# KiCad board SparkFun_RTK_Facet_mosaic_panelized.kicad_pcb (continued)
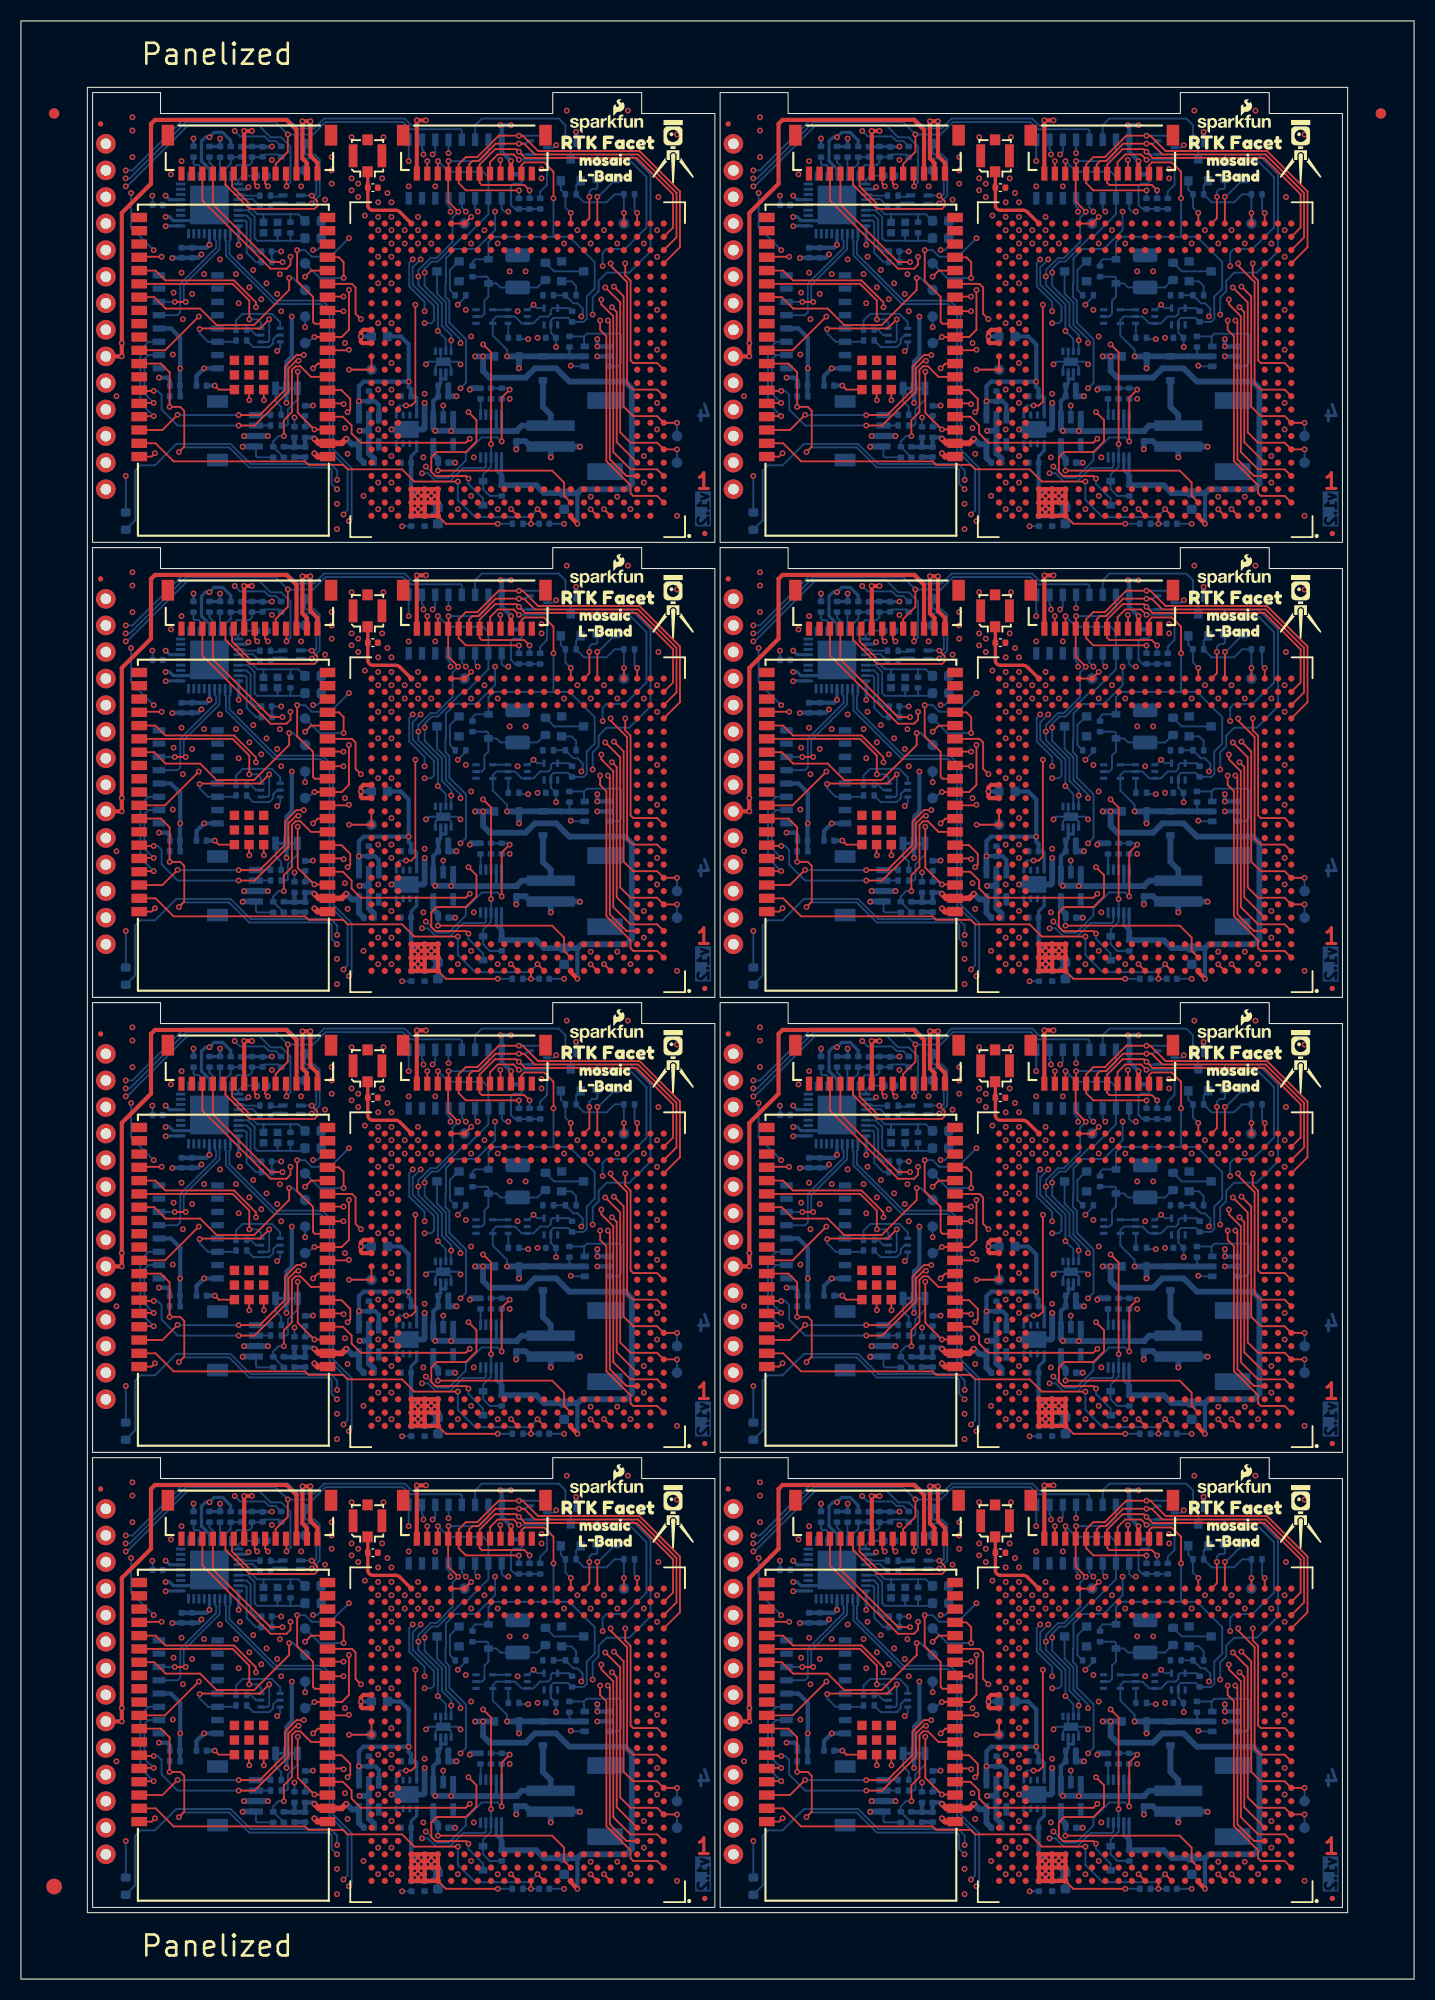
[diagram p0: board, top side]
## Routing (per net, layer and track width the routed paths; a pad name or vN(x,y) marks a point on that pad's centre or on a via; arc(x,y) is an arc through that point) (continued)
  Bottom w0.178: R19#8.1 84.36,45.22 83.73,45.22 83.28,45.66 80.96,45.66 v1(80.44,46.18) ; v1(20.44,46.18) 20.96,45.66 23.28,45.66 23.73,45.22 24.36,45.22 R19#3.1 ; R19#2.1 84.36,88.72 83.73,88.72 83.28,89.16 80.96,89.16 v1(80.44,89.68) ; R19#5.1 24.36,132.22 23.73,132.22 23.28,132.66 20.96,132.66 v1(20.44,133.18) ; R19#4.1 84.36,175.72 83.73,175.72 83.28,176.16 80.96,176.16 v1(80.44,176.68) ; v1(20.44,89.68) 20.96,89.16 23.28,89.16 23.73,88.72 24.36,88.72 R19#7.1 ; v1(20.44,176.68) 20.96,176.16 23.28,176.16 23.73,175.72 24.36,175.72 R19.1 ; v1(80.44,133.18) 80.96,132.66 83.28,132.66 83.73,132.22 84.36,132.22 R19#6.1
  Bottom w0.305: U10#5.1 105.95,13.23 105.97,13.21 105.45,13.73 U10#5.2 ; U10#4.2 45.45,100.73 45.97,100.21 45.95,100.23 U10#4.1 ; U10#6.1 105.95,56.73 105.97,56.71 105.45,57.23 U10#6.2 ; U10#7.2 45.45,144.23 45.97,143.71 45.95,143.73 U10#7.1 ; U10#3.2 45.45,13.73 45.97,13.21 45.95,13.23 U10#3.1 ; U10#8.1 105.95,100.23 105.97,100.21 105.45,100.73 U10#8.2 ; U10#2.1 105.95,143.73 105.97,143.71 105.45,144.23 U10#2.2 ; U10.1 45.95,56.73 45.97,56.71 45.45,57.23 U10.2
  Bottom w0.406: v1(113.21,52.13) 113.21,55.05 ; v1(53.21,139.13) 53.21,142.05 ; v1(53.21,95.63) 53.21,98.55 ; v1(113.21,95.63) 113.21,98.55 ; v1(113.21,139.13) 113.21,142.05 ; v1(113.21,8.63) 113.21,11.55 ; v1(53.21,8.63) 53.21,11.55 ; v1(53.21,52.13) 53.21,55.05
  Bottom w0.559: v1(104.19,155.13) 104.19,153.73 104.82,153.1 108.25,153.1 109.14,153.99 111.17,153.99 112.44,152.72 117.78,152.72 118.41,152.08 118.41,142.94 117.9,142.43 113.59,142.43 113.21,142.05 113.19,142.06 C17#7.1 110.02,142.06 109.27,142.81 R42#2.1 105.97,143.71 ; v1(104.19,155.13) v1(103.43,155.13) ; v1(104.19,155.13) D3#5.A ; v1(104.19,111.63) 104.19,110.23 104.82,109.6 108.25,109.6 109.14,110.49 111.17,110.49 112.44,109.22 117.78,109.22 118.41,108.58 118.41,99.44 117.9,98.93 113.59,98.93 113.21,98.55 113.19,98.56 C17.1 110.02,98.56 109.27,99.31 105.97,99.31 105.97,100.21 ; v1(104.19,111.63) D3#2.A ; v1(104.19,111.63) v1(103.43,111.63) ; 45.97,13.21 R42#4.1 49.27,12.31 50.02,11.56 C17#4.1 53.19,11.56 53.21,11.55 53.59,11.93 57.9,11.93 58.41,12.44 58.41,21.58 57.78,22.22 52.44,22.22 51.17,23.49 49.14,23.49 48.25,22.6 44.82,22.6 44.19,23.23 v1(44.19,24.63) ; v1(104.19,24.63) v1(103.43,24.63) ; v1(104.19,24.63) D3#4.A ; v1(104.19,24.63) 104.19,23.23 104.82,22.6 108.25,22.6 109.14,23.49 111.17,23.49 112.44,22.22 117.78,22.22 118.41,21.58 118.41,12.44 117.9,11.93 113.59,11.93 113.21,11.55 113.19,11.56 C17#8.1 110.02,11.56 109.27,12.31 R42#6.1 105.97,13.21 ; 45.97,143.71 R42#3.1 49.27,142.81 50.02,142.06 C17#5.1 53.19,142.06 53.21,142.05 53.59,142.43 57.9,142.43 58.41,142.94 58.41,152.08 57.78,152.72 52.44,152.72 51.17,153.99 49.14,153.99 48.25,153.1 44.82,153.1 44.19,153.73 v1(44.19,155.13) ; v1(44.19,24.63) D3#7.A ; v1(44.19,24.63) v1(43.43,24.63) ; 45.97,56.71 R42#8.1 49.27,55.81 50.02,55.06 C17#2.1 53.19,55.06 53.21,55.05 53.59,55.43 57.9,55.43 58.41,55.94 58.41,65.08 57.78,65.72 52.44,65.72 51.17,66.99 49.14,66.99 48.25,66.1 44.82,66.1 44.19,66.73 v1(44.19,68.13) ; v1(104.19,68.13) v1(103.43,68.13) ; v1(104.19,68.13) 104.19,66.73 104.82,66.1 108.25,66.1 109.14,66.99 111.17,66.99 112.44,65.72 117.78,65.72 118.41,65.08 118.41,55.94 117.9,55.43 113.59,55.43 113.21,55.05 113.19,55.06 C17#3.1 110.02,55.06 109.27,55.81 R42.1 105.97,56.71 ; v1(104.19,68.13) D3#8.A ; v1(44.19,111.63) v1(43.43,111.63) ; v1(44.19,111.63) 44.19,110.23 44.82,109.6 48.25,109.6 49.14,110.49 51.17,110.49 52.44,109.22 57.78,109.22 58.41,108.58 58.41,99.44 57.9,98.93 53.59,98.93 53.21,98.55 53.19,98.56 C17#6.1 50.02,98.56 49.27,99.31 45.97,99.31 45.97,100.21 ; v1(44.19,111.63) D3.A ; v1(44.19,155.13) D3#3.A ; v1(44.19,155.13) v1(43.43,155.13) ; v1(44.19,68.13) D3#6.A ; v1(44.19,68.13) v1(43.43,68.13)
Net-(C19-Pad1): length 97.3
  Bottom w0.178: D5.C 104.7,30.34 104.31,29.96 104.31,28.69 104.06,28.44 U8#4.2 ; D5.C 104.7,32.12 104.57,32.25 104.31,32.25 104.31,32.25 R33#2.1 ; D5.C 105.47,31.61 105.85,31.22 C19#6.1 109.38,31.22 109.9,31.74 109.9,32.25 ; U8#6.2 44.06,158.94 44.31,159.19 44.31,160.46 44.7,160.84 D5#8.C ; 49.9,119.25 49.9,118.74 49.38,118.22 C19#7.1 45.85,118.22 45.47,118.61 D5#3.C ; 49.9,162.75 49.9,162.24 49.38,161.72 C19#4.1 45.85,161.72 45.47,162.11 D5#8.C ; U8.2 104.06,115.44 104.31,115.69 104.31,116.96 104.7,117.34 D5#6.C ; R33#5.1 104.31,162.75 104.31,162.75 104.57,162.75 104.7,162.62 D5#2.C ; D5#8.C 44.7,162.62 44.57,162.75 44.31,162.75 44.31,162.75 R33#3.1 ; U8#8.2 44.06,28.44 44.31,28.69 44.31,29.96 44.7,30.34 D5#5.C ; R33.1 44.31,75.75 44.31,75.75 44.57,75.75 44.7,75.62 D5#4.C ; D5#5.C 44.7,32.12 44.57,32.25 44.31,32.25 44.31,32.25 R33#4.1 ; D5#5.C 45.47,31.61 45.85,31.22 C19#5.1 49.38,31.22 49.9,31.74 49.9,32.25 ; U8#3.2 44.06,115.44 44.31,115.69 44.31,116.96 44.7,117.34 D5#3.C ; D5#2.C 105.47,162.11 105.85,161.72 C19#8.1 109.38,161.72 109.9,162.24 109.9,162.75 ; D5#2.C 104.7,160.84 104.31,160.46 104.31,159.19 104.06,158.94 U8#7.2 ; D5#3.C 44.7,119.12 44.57,119.25 44.31,119.25 44.31,119.25 R33#7.1 ; D5#6.C 104.7,119.12 104.57,119.25 104.31,119.25 104.31,119.25 R33#6.1 ; D5#6.C 105.47,118.61 105.85,118.22 C19#2.1 109.38,118.22 109.9,118.74 109.9,119.25 ; U8#5.2 104.06,71.94 104.31,72.19 104.31,73.46 104.7,73.84 D5#7.C ; 49.9,75.75 49.9,75.24 49.38,74.72 C19#3.1 45.85,74.72 45.47,75.11 D5#4.C ; D5#7.C 104.7,75.62 104.57,75.75 104.31,75.75 104.31,75.75 R33#8.1 ; D5#7.C 105.47,75.11 105.85,74.72 C19.1 109.38,74.72 109.9,75.24 109.9,75.75 ; D5#4.C 44.7,73.84 44.31,73.46 44.31,72.19 44.06,71.94 U8#2.2
Net-(D2-K2): length 96.1
  Top w0.178: J4#5.5 44.85,130.2 45.59,130.93 47.11,130.93 v1(47.62,130.43) ; J4#7.5 104.85,43.2 105.59,43.93 107.11,43.93 v1(107.62,43.43) ; J4#6.5 44.85,43.2 45.59,43.93 47.11,43.93 v1(47.62,43.43) ; J4#8.5 104.85,173.7 105.59,174.43 107.11,174.43 v1(107.62,173.93) ; v1(47.62,173.93) 47.11,174.43 45.59,174.43 44.85,173.7 J4#4.5 ; v1(107.62,130.43) 107.11,130.93 105.59,130.93 104.85,130.2 J4#3.5 ; v1(107.62,86.93) 107.11,87.43 105.59,87.43 104.85,86.7 J4.5 ; v1(47.62,86.93) 47.11,87.43 45.59,87.43 44.85,86.7 J4#2.5
  Bottom w0.178: v1(107.62,86.93) 107.63,86.94 110.28,86.94 D2#4.3 110.3,87.42 110.3,84.53 109.65,83.88 R28#3.2 ; R28#5.2 109.65,40.38 110.3,41.03 110.3,43.92 D2#6.3 110.28,43.44 107.63,43.44 v1(107.62,43.43) ; R28#8.2 109.65,127.38 110.3,128.03 110.3,130.92 D2#5.3 110.28,130.44 107.63,130.44 v1(107.62,130.43) ; R28.2 49.65,127.38 50.3,128.03 50.3,130.92 D2#7.3 50.28,130.44 47.63,130.44 v1(47.62,130.43) ; R28#4.2 49.65,40.38 50.3,41.03 50.3,43.92 D2#8.3 50.28,43.44 47.63,43.44 v1(47.62,43.43) ; v1(47.62,86.93) 47.63,86.94 50.28,86.94 D2.3 50.3,87.42 50.3,84.53 49.65,83.88 R28#7.2 ; R28#2.2 109.65,170.88 110.3,171.53 110.3,174.42 D2#2.3 110.28,173.94 107.63,173.94 v1(107.62,173.93) ; v1(47.62,173.93) 47.63,173.94 50.28,173.94 D2#3.3 50.3,174.42 50.3,171.53 49.65,170.88 R28#6.2
Net-(JP1-A): length 22.1
  Bottom w0.178: JP1.1 84.35,20.34 84.89,19.8 R6#7.1 ; JP1#5.1 24.35,63.84 24.89,63.3 R6#8.1 ; JP1#8.1 24.35,150.84 24.89,150.3 R6#3.1 ; JP1#3.1 84.35,150.84 84.89,150.3 R6#2.1 ; JP1#4.1 24.35,107.34 24.89,106.8 R6.1 ; JP1#6.1 84.35,107.34 84.89,106.8 R6#4.1 ; JP1#2.1 24.35,20.34 24.89,19.8 R6#6.1 ; JP1#7.1 84.35,63.84 84.89,63.3 R6#5.1
Net-(JP1-B): length 35.9
  Bottom w0.178: R4#4.1 25.39,18.03 25.52,18.15 25.52,19.57 26.43,20.49 JP1#2.3 ; R4#8.1 85.39,61.53 85.52,61.65 85.52,63.07 86.43,63.99 JP1#7.3 ; JP1.3 86.43,20.49 85.52,19.57 85.52,18.15 85.39,18.03 R4#5.1 ; R4#3.1 25.39,148.53 25.52,148.65 25.52,150.07 26.43,150.99 JP1#8.3 ; R4.1 25.39,61.53 25.52,61.65 25.52,63.07 26.43,63.99 JP1#5.3 ; JP1#6.3 86.43,107.49 85.52,106.57 85.52,105.15 85.39,105.03 R4#6.1 ; R4#7.1 25.39,105.03 25.52,105.15 25.52,106.57 26.43,107.49 JP1#4.3 ; R4#2.1 85.39,148.53 85.52,148.65 85.52,150.07 86.43,150.99 JP1#3.3
Net-(Q1A-B1): length 33.3
  Bottom w0.178: R3#7.1 81.58,156.65 82.22,156.02 83.74,156.02 84.12,156.4 84.12,156.78 84.5,157.16 Q1#8.2 ; Q1#5.2 84.5,26.66 84.12,26.28 84.12,25.9 83.74,25.52 82.22,25.52 81.58,26.15 R3#6.1 ; R3.1 21.58,113.15 22.22,112.52 23.74,112.52 24.12,112.9 24.12,113.28 24.5,113.66 Q1#6.2 ; Q1#2.2 24.5,157.16 24.12,156.78 24.12,156.4 23.74,156.02 22.22,156.02 21.58,156.65 R3#3.1 ; Q1#4.2 84.5,113.66 84.12,113.28 84.12,112.9 83.74,112.52 82.22,112.52 81.58,113.15 R3#8.1 ; Q1#7.2 84.5,70.16 84.12,69.78 84.12,69.4 83.74,69.02 82.22,69.02 81.58,69.65 R3#5.1 ; R3#4.1 21.58,26.15 22.22,25.52 23.74,25.52 24.12,25.9 24.12,26.28 24.5,26.66 Q1#3.2 ; R3#2.1 21.58,69.65 22.22,69.02 23.74,69.02 24.12,69.4 24.12,69.78 24.5,70.16 Q1.2
Net-(Q1B-B2): length 12.6
  Bottom w0.178: R2#6.1 81.96,70.67 82.47,70.16 Q1#7.5 ; R2#8.1 21.96,70.67 22.47,70.16 Q1.5 ; R2#7.1 21.96,157.67 22.47,157.16 Q1#2.5 ; Q1#6.5 22.47,113.66 21.96,114.17 R2#4.1 ; Q1#3.5 22.47,26.66 21.96,27.17 R2.1 ; Q1#4.5 82.47,113.66 81.96,114.17 R2#2.1 ; Q1#8.5 82.47,157.16 81.96,157.67 R2#5.1 ; Q1#5.5 82.47,26.66 81.96,27.17 R2#3.1
Net-(Q2A-D): length 79.9
  Bottom w0.178: Q2#8.6 57.08,23.68 57.4,24 57.4,26.66 57.26,26.8 54.11,26.8 53.84,26.54 ; 113.84,26.54 114.11,26.8 117.26,26.8 117.4,26.66 117.4,24 117.08,23.68 Q2.6 ; 113.84,26.54 113.84,26.53 113.84,25.65 Q2.3 ; 113.84,26.54 112.44,26.54 ; Q2#7.3 53.84,156.15 53.84,157.03 53.84,157.04 ; Q2#4.3 113.84,112.65 113.84,113.53 113.84,113.54 ; 53.84,70.04 53.84,70.03 53.84,69.15 Q2#3.3 ; 53.84,70.04 R18#3.1 ; 53.84,70.04 54.11,70.3 57.26,70.3 57.4,70.16 57.4,67.5 57.08,67.18 Q2#3.6 ; Q2#5.3 53.84,112.65 53.84,113.53 53.84,113.54 ; 113.84,113.54 114.11,113.8 117.26,113.8 117.4,113.66 117.4,111 117.08,110.68 Q2#4.6 ; 113.84,113.54 R18#5.1 ; 53.84,113.54 54.11,113.8 57.26,113.8 57.4,113.66 57.4,111 57.08,110.68 Q2#5.6 ; 53.84,113.54 R18.1 ; 53.84,157.04 54.11,157.3 57.26,157.3 57.4,157.16 57.4,154.5 57.08,154.18 Q2#7.6 ; 53.84,157.04 R18#2.1 ; 53.84,26.54 52.44,26.54 ; 53.84,26.54 53.84,26.53 53.84,25.65 Q2#8.3 ; 113.84,157.04 R18#6.1 ; 113.84,157.04 113.84,157.03 113.84,156.15 Q2#6.3 ; 113.84,157.04 114.11,157.3 117.26,157.3 117.4,157.16 117.4,154.5 117.08,154.18 Q2#6.6 ; Q2#2.3 113.84,69.15 113.84,70.03 113.84,70.04 ; 113.84,70.04 R18#8.1 ; 113.84,70.04 114.11,70.3 117.26,70.3 117.4,70.16 117.4,67.5 117.08,67.18 Q2#2.6
Net-(Q2A-G): length 73.9
  In2.Cu w0.178: v1(112.57,110.74) 112.57,112.77 111.94,113.41 111.05,113.41 110.28,112.65 109.14,112.65 v1(108.51,113.28) ; v1(112.57,23.74) 112.57,25.77 111.94,26.41 111.05,26.41 110.28,25.65 109.14,25.65 v1(108.51,26.28) ; v1(48.51,69.78) 49.14,69.15 50.28,69.15 51.05,69.91 51.94,69.91 52.57,69.27 v1(52.57,67.24) ; v1(48.51,156.78) 49.14,156.15 50.28,156.15 51.05,156.91 51.94,156.91 52.57,156.27 v1(52.57,154.24) ; v1(112.57,154.24) 112.57,156.27 111.94,156.91 111.05,156.91 110.28,156.15 109.14,156.15 v1(108.51,156.78) ; v1(48.51,26.28) 49.14,25.65 50.28,25.65 51.05,26.41 51.94,26.41 52.57,25.77 v1(52.57,23.74) ; v1(108.51,69.78) 109.14,69.15 110.28,69.15 111.05,69.91 111.94,69.91 112.57,69.27 v1(112.57,67.24) ; v1(48.51,113.28) 49.14,112.65 50.28,112.65 51.05,113.41 51.94,113.41 52.57,112.77 v1(52.57,110.74)
  Bottom w0.178: v1(52.57,67.24) 52.63,67.18 Q2#3.1 ; Q2#2.1 112.63,67.18 v1(112.57,67.24) ; R9#7.1 107.75,26.28 v1(108.51,26.28) ; R9#3.1 107.75,113.28 v1(108.51,113.28) ; Q2#8.1 52.63,23.68 v1(52.57,23.74) ; v1(112.57,23.74) 112.63,23.68 Q2.1 ; v1(112.57,154.24) 112.63,154.18 Q2#6.1 ; R9#5.1 47.75,156.78 v1(48.51,156.78) ; R9#6.1 47.75,26.28 v1(48.51,26.28) ; v1(108.51,156.78) 107.75,156.78 R9.1 ; v1(112.57,110.74) 112.63,110.68 Q2#4.1 ; R9#8.1 47.75,69.78 v1(48.51,69.78) ; R9#4.1 107.75,69.78 v1(108.51,69.78) ; Q2#7.1 52.63,154.18 v1(52.57,154.24) ; v1(48.51,113.28) 47.75,113.28 R9#2.1 ; v1(52.57,110.74) 52.63,110.68 Q2#5.1
Net-(Q4-D): length 31.9
  Bottom w0.178: R34#8.2 110.98,163.26 Q4#4.3 ; Q4#6.3 50.98,76.26 R34#4.2 ; R34#3.2 110.98,32.76 Q4#8.3 ; Q4#5.3 110.98,119.76 110.16,120.58 ; R34.2 110.98,76.26 Q4#7.3 ; Q4#2.3 50.98,163.26 R34#2.2 ; R34#7.2 50.98,32.76 Q4.3 ; Q4#3.3 50.98,119.76 50.16,120.58
Net-(Q4-G): length 19.6
  Bottom w0.178: R35.1 53.08,118.36 52.63,118.81 Q4#3.1 ; Q4#7.1 112.63,75.31 113.08,74.86 R35#6.1 ; R35#3.1 113.08,161.86 112.63,162.31 Q4#4.1 ; Q4#6.1 52.63,75.31 53.08,74.86 R35#8.1 ; R35#5.1 113.08,31.36 112.63,31.81 Q4#8.1 ; Q4.1 52.63,31.81 53.08,31.36 R35#7.1 ; Q4#5.1 112.63,118.81 113.08,118.36 R35#4.1 ; Q4#2.1 52.63,162.31 53.08,161.86 R35#2.1
Net-(Q5-G): length 30.7
  Bottom w0.178: Q5#5.1 41.84,164.21 41.01,163.38 41.01,161.48 R36#6.2 ; Q5.1 101.84,120.71 101.01,119.88 101.01,117.98 R36#7.2 ; Q5#7.1 101.84,77.21 101.01,76.39 101.01,74.48 R36#3.2 ; Q5#3.1 101.84,33.71 101.01,32.89 101.01,30.98 R36#4.2 ; Q5#8.1 41.84,120.71 41.01,119.88 41.01,117.98 R36#2.2 ; R36#5.2 101.01,161.48 101.01,163.38 101.84,164.21 Q5#6.1 ; Q5#2.1 41.84,77.21 41.01,76.39 41.01,74.48 R36.2 ; Q5#4.1 41.84,33.71 41.01,32.89 41.01,30.98 R36#8.2
Net-(R26-Pad2): length 10.2
  Bottom w0.178: R26#6.2 23.97,83.4 24.93,83.4 TR1#2.2 ; R26#2.2 83.97,39.9 84.93,39.9 TR1#3.2 ; R26#7.2 83.97,83.4 84.93,83.4 TR1.2 ; TR1#5.2 84.93,126.9 83.97,126.9 R26#8.2 ; TR1#8.2 84.93,170.4 83.97,170.4 R26#5.2 ; R26#3.2 23.97,39.9 24.93,39.9 TR1#6.2 ; R26.2 23.97,170.4 24.93,170.4 TR1#7.2 ; R26#4.2 23.97,126.9 24.93,126.9 TR1#4.2
Net-(R27-Pad2): length 11.4
  Bottom w0.178: TR1.4 84.93,82.84 84.15,82.84 83.87,82.56 R27#5.2 ; R27#2.2 83.87,126.06 84.15,126.34 84.93,126.34 TR1#5.4 ; TR1#4.4 24.93,126.34 24.15,126.34 23.87,126.06 R27#8.2 ; TR1#2.4 24.93,82.84 24.15,82.84 23.87,82.56 R27.2 ; R27#6.2 23.87,169.56 24.15,169.84 24.93,169.84 TR1#7.4 ; TR1#8.4 84.93,169.84 84.15,169.84 83.87,169.56 R27#7.2 ; R27#4.2 23.87,39.06 24.15,39.34 24.93,39.34 TR1#6.4 ; R27#3.2 83.87,39.06 84.15,39.34 84.93,39.34 TR1#3.4
Net-(R29-Pad1): length 434.5
  Top w0.178: v1(46.73,151.96) 45.97,151.19 v1(45.97,147) ; v1(106.73,21.46) 105.97,20.69 v1(105.97,16.5) ; v1(46.73,108.45) 45.97,107.69 v1(45.97,103.5) ; v1(106.73,151.96) 105.97,151.19 v1(105.97,147) ; v1(45.97,16.5) 45.97,20.69 v1(46.73,21.46) ; v1(106.73,64.95) 105.97,64.19 v1(105.97,60) ; v1(106.73,108.45) 105.97,107.69 v1(105.97,103.5) ; v1(46.73,64.95) 45.97,64.19 v1(45.97,60)
  In2.Cu w0.178: v1(90.23,99.82) 90.61,100.2 97.33,100.2 97.7,100.57 97.7,100.58 98.22,101.1 v1(98.71,101.1) ; v1(98.71,144.6) 98.22,144.6 97.7,144.08 97.7,144.07 97.33,143.7 90.61,143.7 v1(90.23,143.32) ; v1(30.23,143.32) 30.61,143.7 37.33,143.7 37.7,144.07 37.7,144.08 38.22,144.6 v1(38.71,144.6) ; v1(38.71,57.6) 38.22,57.6 37.7,57.08 37.7,57.07 37.33,56.7 30.61,56.7 v1(30.23,56.32) ; v1(90.23,56.32) 90.61,56.7 97.33,56.7 97.7,57.07 97.7,57.08 98.22,57.6 v1(98.71,57.6) ; v1(98.71,14.1) 98.22,14.1 97.7,13.58 97.7,13.57 97.33,13.2 90.61,13.2 v1(90.23,12.82) ; v1(38.71,101.1) 38.22,101.1 37.7,100.58 37.7,100.57 37.33,100.2 30.61,100.2 v1(30.23,99.82) ; v1(30.23,12.82) 30.61,13.2 37.33,13.2 37.7,13.57 37.7,13.58 38.22,14.1 v1(38.71,14.1)
  Bottom w0.178: v1(45.97,147) 45.59,147.38 44.06,147.38 42.54,145.86 42.54,145.18 40.89,143.53 39.81,143.53 38.74,144.6 v1(38.71,144.6) ; v1(90.23,56.32) 90.23,57.22 89.61,57.84 81.96,57.84 80.04,59.76 74.86,59.76 72.82,57.72 71.42,57.72 70.91,57.21 70.91,52.45 R30#4.2 ; v1(30.23,56.32) 30.23,57.22 29.61,57.84 21.96,57.84 20.04,59.76 14.86,59.76 12.82,57.72 11.42,57.72 10.91,57.21 10.91,52.45 R30#2.2 ; R31#3.2 R29#4.1 106.6,108.58 v1(106.73,108.45) ; R31#5.2 R29#6.1 106.6,21.58 v1(106.73,21.46) ; v1(46.73,151.96) 46.6,152.08 R29.1 R31#4.2 ; R30#8.2 70.91,139.45 70.91,144.21 71.42,144.72 72.82,144.72 74.86,146.76 80.04,146.76 81.96,144.84 89.61,144.84 90.23,144.22 v1(90.23,143.32) ; v1(90.23,99.82) 90.23,100.72 89.61,101.34 81.96,101.34 80.04,103.26 74.86,103.26 72.82,101.22 71.42,101.22 70.91,100.71 70.91,95.95 R30#7.2 ; v1(46.73,108.45) 46.6,108.58 R29#8.1 R31.2 ; v1(46.73,21.46) 46.6,21.58 R29#5.1 R31#8.2 ; v1(46.73,64.95) 46.6,65.08 R29#3.1 R31#2.2 ; v1(105.97,103.5) 105.59,103.88 104.06,103.88 102.54,102.36 102.54,101.68 100.89,100.03 99.81,100.03 98.74,101.1 v1(98.71,101.1) ; v1(98.71,57.6) 98.74,57.6 99.81,56.53 100.89,56.53 102.54,58.18 102.54,58.86 104.06,60.38 105.59,60.38 v1(105.97,60) ; v1(98.71,144.6) 98.74,144.6 99.81,143.53 100.89,143.53 102.54,145.18 102.54,145.86 104.06,147.38 105.59,147.38 v1(105.97,147) ; v1(38.71,14.1) 38.74,14.1 39.81,13.03 40.89,13.03 42.54,14.68 42.54,15.36 44.06,16.88 45.59,16.88 v1(45.97,16.5) ; v1(106.73,64.95) 106.6,65.08 R29#7.1 R31#6.2 ; v1(38.71,101.1) 38.74,101.1 39.81,100.03 40.89,100.03 42.54,101.68 42.54,102.36 44.06,103.88 45.59,103.88 v1(45.97,103.5) ; v1(105.97,16.5) 105.59,16.88 104.06,16.88 102.54,15.36 102.54,14.68 100.89,13.03 99.81,13.03 98.74,14.1 v1(98.71,14.1) ; R30.2 10.91,8.95 10.91,13.71 11.42,14.22 12.82,14.22 14.86,16.26 20.04,16.26 21.96,14.34 29.61,14.34 30.23,13.72 v1(30.23,12.82) ; v1(30.23,143.32) 30.23,144.22 29.61,144.84 21.96,144.84 20.04,146.76 14.86,146.76 12.82,144.72 11.42,144.72 10.91,144.21 10.91,139.45 R30#3.2 ; v1(30.23,99.82) 30.23,100.72 29.61,101.34 21.96,101.34 20.04,103.26 14.86,103.26 12.82,101.22 11.42,101.22 10.91,100.71 10.91,95.95 R30#6.2 ; R31#7.2 R29#2.1 106.6,152.08 v1(106.73,151.96) ; v1(90.23,12.82) 90.23,13.72 89.61,14.34 81.96,14.34 80.04,16.26 74.86,16.26 72.82,14.22 71.42,14.22 70.91,13.71 70.91,8.95 R30#5.2 ; v1(45.97,60) 45.59,60.38 44.06,60.38 42.54,58.86 42.54,58.18 40.89,56.53 39.81,56.53 38.74,57.6 v1(38.71,57.6)
Net-(U2-2V8_IN): length 44.5
  Top w0.178: U2.N23 U2.M23 91.38,153.86 v1(91.37,153.86) ; U2#2.N23 U2#2.M23 91.38,66.86 v1(91.37,66.86) ; U2#7.N23 U2#7.M23 31.38,153.86 v1(31.37,153.86) ; U2#8.N23 U2#8.M23 31.38,110.36 v1(31.37,110.36) ; U2#3.N23 U2#3.M23 91.38,23.36 v1(91.37,23.36) ; U2#6.N23 U2#6.M23 91.38,110.36 v1(91.37,110.36) ; U2#4.N23 U2#4.M23 31.38,23.36 v1(31.37,23.36) ; v1(31.37,66.86) 31.38,66.86 U2#5.M23 U2#5.N23
  Bottom w0.178: v1(31.37,23.36) 33.52,23.36 U2#4.M23 ; v1(31.37,110.36) 33.52,110.36 U2#8.M23 ; v1(91.37,66.86) 93.52,66.86 U2#2.M23 ; U2#5.M23 33.52,66.86 v1(31.37,66.86) ; v1(91.37,110.36) 93.52,110.36 U2#6.M23 ; U2#7.M23 33.52,153.86 v1(31.37,153.86) ; U2#3.M23 93.52,23.36 v1(91.37,23.36) ; U2.M23 93.52,153.86 v1(91.37,153.86)
Net-(U2-EVENTA): length 40.3
  Top w0.178: U2#8.AC6 v1(55.11,126.88) ; U2#3.AC6 v1(115.11,39.88) ; U2#7.AC6 v1(55.11,170.38) ; U2#2.AC6 v1(115.11,83.38) ; U2#5.AC6 v1(55.11,83.38) ; U2#6.AC6 v1(115.11,126.88) ; U2.AC6 v1(115.11,170.38) ; U2#4.AC6 v1(55.11,39.88)
  Bottom w0.178: R16#3.2 55.19,83.38 v1(55.11,83.38) ; R16#2.2 115.19,170.38 v1(115.11,170.38) ; R16#8.2 55.19,170.38 v1(55.11,170.38) ; R16#4.2 55.19,126.88 v1(55.11,126.88) ; v1(115.11,39.88) 115.19,39.88 R16#7.2 ; v1(115.11,83.38) 115.19,83.38 R16#6.2 ; v1(55.11,39.88) 55.19,39.88 R16#5.2 ; v1(115.11,126.88) 115.19,126.88 R16.2
Net-(U2-EVENTB): length 40
  Top w0.178: U2#8.AC7 54.35,124.84 v1(54.35,126.88) ; v1(114.35,126.88) 114.35,124.84 U2#6.AC7 ; U2#5.AC7 54.35,81.34 v1(54.35,83.38) ; U2#4.AC7 54.35,37.84 v1(54.35,39.88) ; v1(114.35,170.38) 114.35,168.34 U2.AC7 ; v1(114.35,39.88) 114.35,37.84 U2#3.AC7 ; v1(54.35,170.38) 54.35,168.34 U2#7.AC7 ; U2#2.AC7 114.35,81.34 v1(114.35,83.38)
  Bottom w0.178: v1(54.35,170.38) 54.35,170.88 54.6,171.13 54.98,171.13 55.11,171.26 R41#8.2 ; R41#5.2 115.11,40.76 114.98,40.63 114.6,40.63 114.35,40.38 v1(114.35,39.88) ; v1(114.35,83.38) 114.35,83.88 114.6,84.13 114.98,84.13 115.11,84.26 R41#6.2 ; R41#7.2 55.11,40.76 54.98,40.63 54.6,40.63 54.35,40.38 v1(54.35,39.88) ; v1(54.35,83.38) 54.35,83.88 54.6,84.13 54.98,84.13 55.11,84.26 R41#4.2 ; v1(114.35,126.88) 114.35,127.38 114.6,127.63 114.98,127.63 115.11,127.76 R41#2.2 ; v1(54.35,126.88) 54.35,127.38 54.6,127.63 54.98,127.63 55.11,127.76 R41.2 ; R41#3.2 115.11,171.26 114.98,171.13 114.6,171.13 114.35,170.88 v1(114.35,170.38)
Net-(U2-REF_IN): length 24.5
  Top w0.178: v1(43.04,168.47) U2#7.AC16 U2#7.AC17 ; U2#6.AC17 U2#6.AC16 v1(103.04,124.97) ; v1(43.04,81.47) U2#5.AC16 U2#5.AC17 ; v1(103.04,168.47) U2.AC16 U2.AC17 ; U2#4.AC17 U2#4.AC16 v1(43.04,37.97) ; U2#8.AC17 U2#8.AC16 v1(43.04,124.97) ; v1(103.04,37.97) U2#3.AC16 U2#3.AC17 ; v1(103.04,81.47) U2#2.AC16 U2#2.AC17
  Bottom w0.178: v1(103.04,81.47) U2#2.AC16 ; v1(43.04,37.97) U2#4.AC16 ; v1(103.04,37.97) U2#3.AC16 ; v1(103.04,168.47) U2.AC16 ; v1(43.04,124.97) U2#8.AC16 ; v1(103.04,124.97) U2#6.AC16 ; v1(43.04,168.47) U2#7.AC16 ; v1(43.04,81.47) U2#5.AC16
Net-(U2-SYNC): length 23.2
  Top w0.178: U2#3.AC3 v1(118.92,38.35) ; U2#7.AC3 v1(58.92,168.85) ; U2#2.AC3 v1(118.92,81.85) ; U2#6.AC3 v1(118.92,125.35) ; U2.AC3 v1(118.92,168.85) ; U2#5.AC3 v1(58.92,81.85) ; U2#4.AC3 v1(58.92,38.35) ; U2#8.AC3 v1(58.92,125.35)
  Bottom w0.178: R5#7.1 118.67,169.1 v1(118.92,168.85) ; v1(58.92,38.35) 58.67,38.6 R5#5.1 ; v1(118.92,81.85) 118.67,82.1 R5#3.1 ; v1(118.92,125.35) 118.67,125.6 R5#2.1 ; R5#8.1 58.67,125.6 v1(58.92,125.35) ; R5#4.1 118.67,38.6 v1(118.92,38.35) ; v1(58.92,81.85) 58.67,82.1 R5.1 ; v1(58.92,168.85) 58.67,169.1 R5#6.1
Net-(U2-~{RESET}): length 18.5
  Top w0.178: v1(108.76,52.13) U2#2.A11 ; v1(48.76,8.63) U2#4.A11 ; v1(48.76,139.13) U2#7.A11 ; v1(108.76,95.63) U2#6.A11 ; v1(48.76,52.13) U2#5.A11 ; v1(108.76,139.13) U2.A11 ; v1(48.76,95.63) U2#8.A11 ; v1(108.76,8.63) U2#3.A11
  Bottom w0.178: C3#5.1 v1(48.76,8.63) R11#4.2 ; R11#3.2 v1(108.76,52.13) C3#8.1 ; R11#6.2 v1(48.76,95.63) C3#6.1 ; C3#2.1 v1(108.76,139.13) R11#7.2 ; R11#8.2 v1(108.76,8.63) C3#3.1 ; R11.2 v1(48.76,139.13) C3.1 ; R11#5.2 v1(48.76,52.13) C3#4.1 ; R11#2.2 v1(108.76,95.63) C3#7.1
Net-(U9-CRFILT): length 13.9
  Bottom w0.178: C12#4.1 73.57,39.09 75.26,39.09 U9#2.14 ; C12#6.1 73.57,169.59 75.26,169.59 U9#8.14 ; U9#5.14 75.26,82.59 73.57,82.59 C12#8.1 ; U9.14 15.26,169.59 13.57,169.59 C12#2.1 ; C12#7.1 73.57,126.09 75.26,126.09 U9#6.14 ; U9#3.14 15.26,82.59 13.57,82.59 C12#3.1 ; U9#4.14 15.26,126.09 13.57,126.09 C12.1 ; U9#7.14 15.26,39.09 13.57,39.09 C12#5.1
Net-(U9-HS_IND/CFG1): length 14.6
  Bottom w0.178: R24#3.1 79.03,87.16 U9#5.25 ; R24.1 79.03,174.16 U9#8.25 ; U9#7.25 19.03,43.66 R24#5.1 ; U9#3.25 19.03,87.16 R24#8.1 ; U9#6.25 79.03,130.66 R24#6.1 ; U9.25 19.03,174.16 R24#2.1 ; R24#7.1 79.03,43.66 U9#2.25 ; U9#4.25 19.03,130.66 R24#4.1
Net-(U9-PLLFILT): length 41.2
  Bottom w0.178: U9#8.34 81.57,168.61 81.96,168.21 81.96,165.67 82.47,165.16 C13#6.1 ; U9#3.34 21.57,81.61 21.96,81.21 21.96,78.67 22.47,78.16 C13#5.1 ; C13#7.1 82.47,34.66 81.96,35.17 81.96,37.71 81.57,38.11 U9#2.34 ; C13#3.1 22.47,165.16 21.96,165.67 21.96,168.21 21.57,168.61 U9.34 ; U9#4.34 21.57,125.11 21.96,124.71 21.96,122.17 22.47,121.66 C13.1 ; U9#6.34 81.57,125.11 81.96,124.71 81.96,122.17 82.47,121.66 C13#8.1 ; U9#7.34 21.57,38.11 21.96,37.71 21.96,35.17 22.47,34.66 C13#4.1 ; C13#2.1 82.47,78.16 81.96,78.67 81.96,81.21 81.57,81.61 U9#5.34
Net-(U9-RBIAS): length 44.4
  Bottom w0.178: U9#2.35 81.43,37.61 81.58,37.46 81.58,34.54 82.47,33.65 R17#5.2 ; 22.98,120.65 22.47,120.65 21.58,121.54 21.58,124.46 21.43,124.61 U9#4.35 ; 22.98,77.15 22.47,77.15 21.58,78.04 21.58,80.96 21.43,81.11 U9#3.35 ; R17#6.2 82.47,120.65 81.58,121.54 81.58,124.46 81.43,124.61 U9#6.35 ; U9#7.35 21.43,37.61 21.58,37.46 21.58,34.54 22.47,33.65 22.98,33.65 ; U9#5.35 81.43,81.11 81.58,80.96 81.58,78.04 82.47,77.15 R17#2.2 ; U9#8.35 81.43,168.11 81.58,167.96 81.58,165.04 82.47,164.15 R17#7.2 ; 22.98,164.15 22.47,164.15 21.58,165.04 21.58,167.96 21.43,168.11 U9.35
